# Altium PCB driver_V1.2.3.PcbDoc (part 1 of 2)
Units mm, origin at the board's own origin, x right, y up, seen from the top; angles counter-clockwise.
Board outline 78.1 x 196 mm, 2 copper layers (Top Layer, Bottom Layer), stack 1.58 mm thick; 265 components, 30 nets, 654 pads, 139 vias.
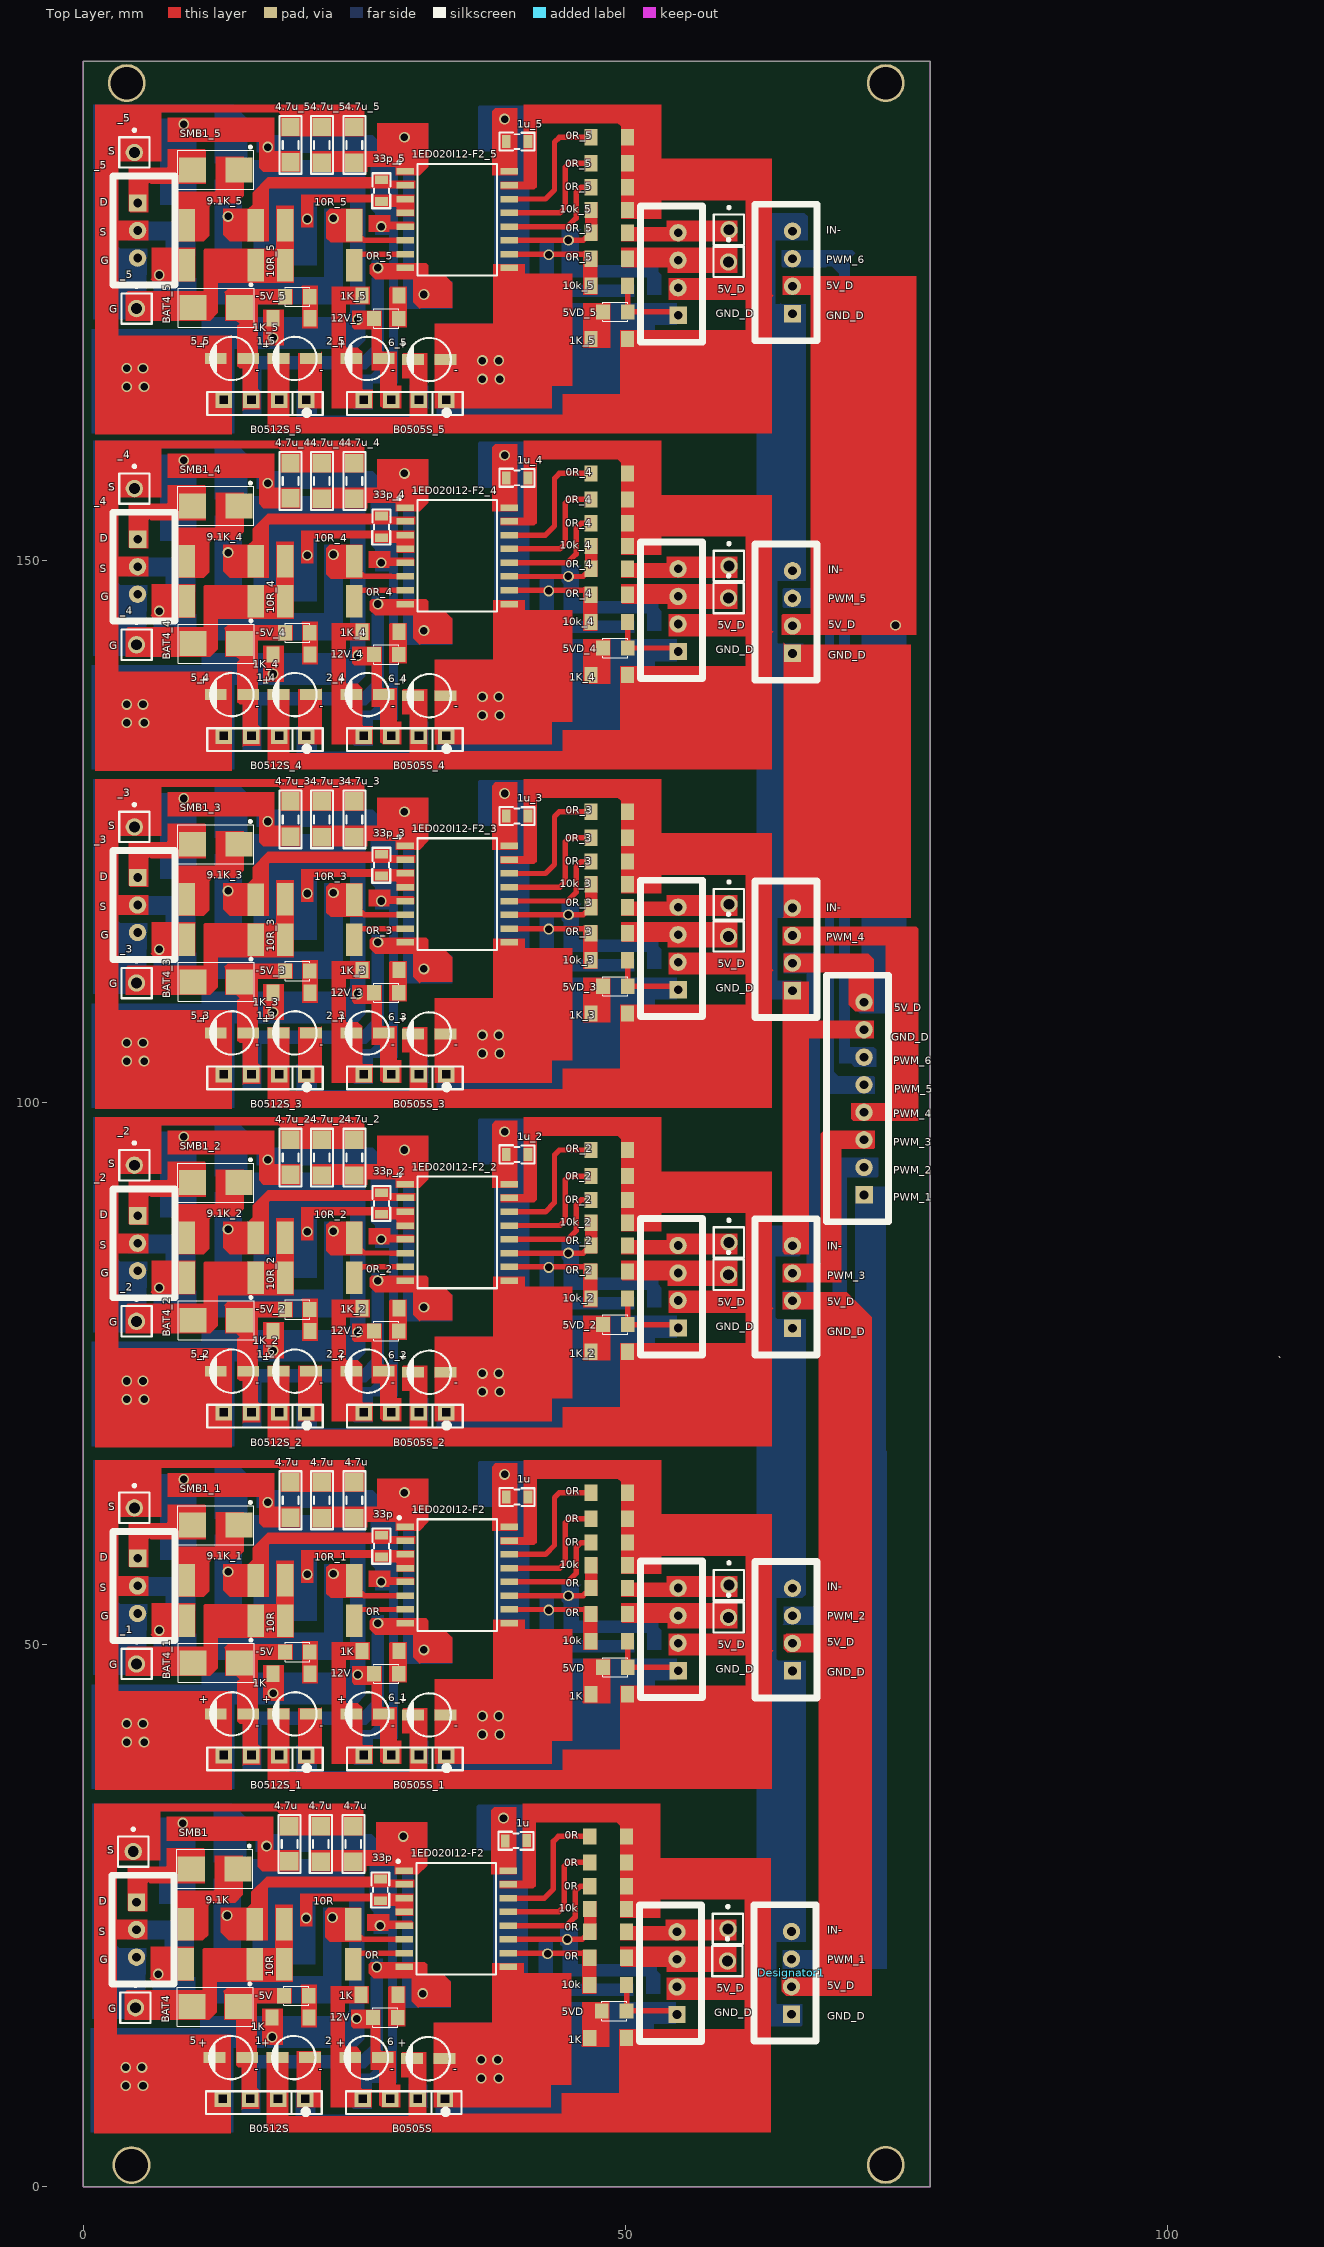
[diagram p0: Top Layer view]
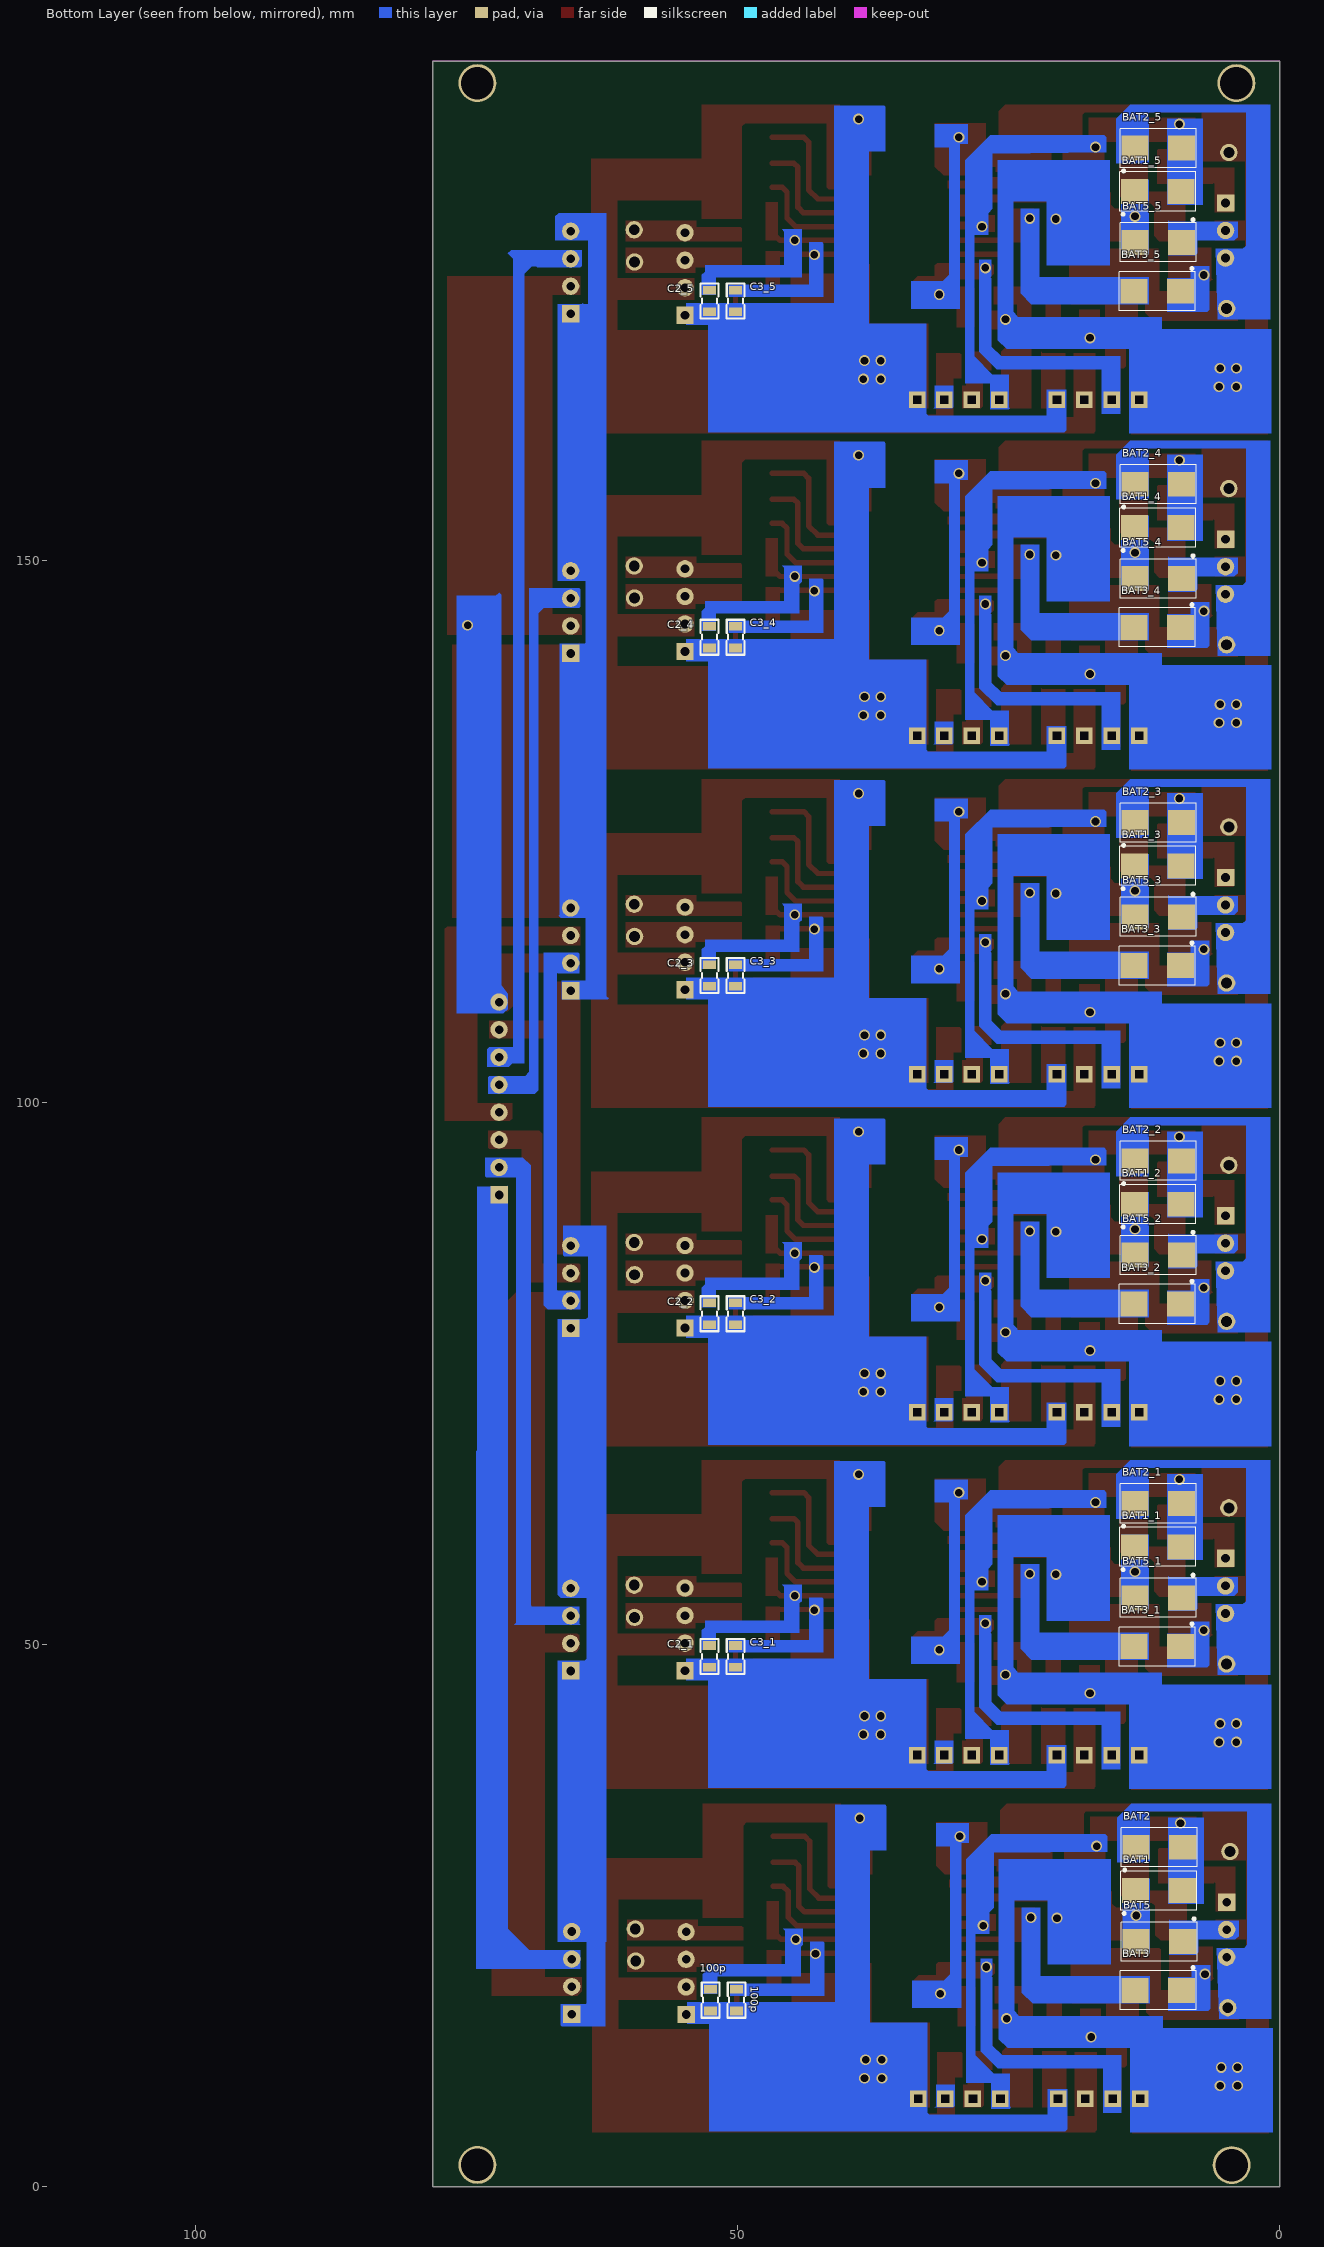
[diagram p1: Bottom Layer view, seen from below]
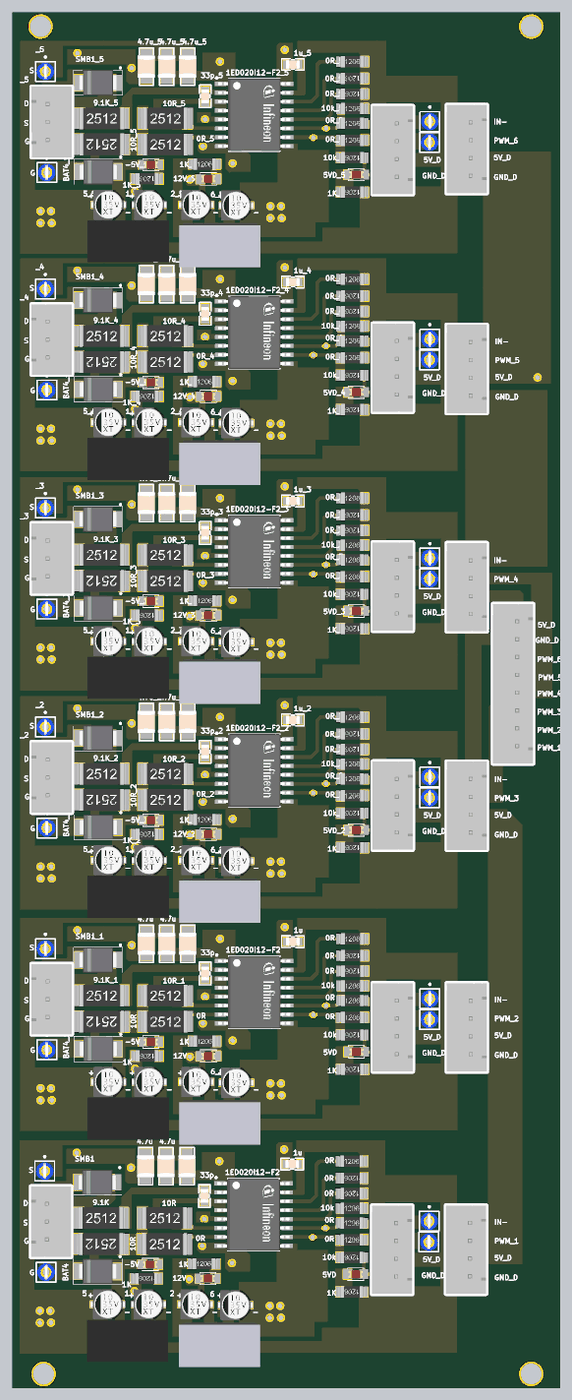
[diagram p3: 3D render of the assembled board from above, using the file's embedded part models]
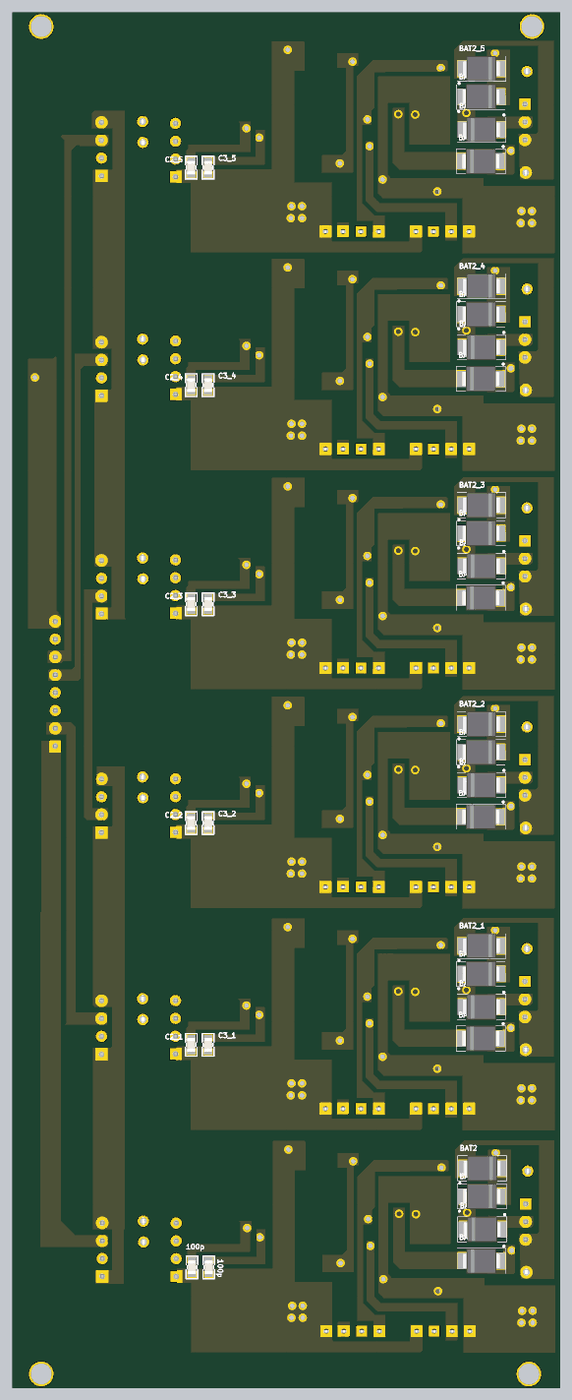
[diagram p4: 3D render of the assembled board from below, using the file's embedded part models]

## Layer stack, top to bottom
Top Solder: solder mask 0.01, Solder Resist, Dk 3.5
Top Layer: signal copper 0.035
Dielectric 1: dielectric 1.51, FR-4, Dk 4.8
Bottom Layer: signal copper 0.035
Bottom Solder: solder mask 0.01, Solder Resist, Dk 3.5

## Board outline
0,0 0,196 78.1,196 78.1,0

## Design rules (kind name [scope] priority, off if disabled: settings)
Clearance [All] p1: gap=0.5
PolygonConnect [All] p1: connectstyle=Relief reliefconductorwidth=0.254 reliefentries=4 polygonreliefangle="90 Angle" airgapwidth=0.254
RoutingVias [All] p1: holewidth=0.711 width=1.27 viastyle="Through Hole" minholewidth=0.711 minwidth=1.27 maxholewidth=0.711 maxwidth=1.27
SolderMaskExpansion [All] p1: expansion=0.102
Width [All] p1: maxlimit=2 minlimit=0.5 preferedwidth=0.5
30 further rules are at their usual default settings.

## Classes and differential pairs
component class driver_V1.1: 1 2 5 6 9 10 13 14 15 17 18 19 20 22 23 BAT1 BAT2 BAT3 BAT4 BAT5 C3 JP1 JP2 JP4 JP5 JP6 JP8 L1 SMB1

## Components (designator, comment, footprint, x,y, rotation, side; value= is the part's Value field where it differs from the comment)
0R "0R" RES1206 48.4,23.5 r0 top (schematic designator 18)
0R "0R" RES_2512 21.7,20.3 r0 top (schematic designator 17)
0R "0R" RES1206 48.4,21.1 r0 top (schematic designator 16)
0R "0R" RES1206 48.4,27.7 r180 top (schematic designator 13)
0R "0R" RES1206 48.4,32.3 r0 top (schematic designator 12)
0R "0R" RES1206 48.4,29.9 r180 top (schematic designator 11)
0R "0R" RES1206 48.5,61.6 r180 top (schematic designator 11)
0R "0R" RES1206 48.5,64 r0 top (schematic designator 12)
0R "0R" RES1206 48.5,59.4 r180 top (schematic designator 13)
0R "0R" RES1206 48.5,52.8 r0 top (schematic designator 16)
0R "0R" RES_2512 21.8,52 r0 top (schematic designator 17)
0R "0R" RES1206 48.5,55.2 r0 top (schematic designator 18)
0R_2 "0R" RES1206 48.5,93.2 r180 top (schematic designator 11)
0R_2 "0R" RES1206 48.5,95.6 r0 top (schematic designator 12)
0R_2 "0R" RES1206 48.5,91 r180 top (schematic designator 13)
0R_2 "0R" RES1206 48.5,84.4 r0 top (schematic designator 16)
0R_2 "0R" RES_2512 21.8,83.6 r0 top (schematic designator 17)
0R_2 "0R" RES1206 48.5,86.8 r0 top (schematic designator 18)
0R_3 "0R" RES1206 48.5,124.4 r180 top (schematic designator 11)
0R_3 "0R" RES1206 48.5,126.8 r0 top (schematic designator 12)
0R_3 "0R" RES1206 48.5,122.2 r180 top (schematic designator 13)
0R_3 "0R" RES1206 48.5,115.6 r0 top (schematic designator 16)
0R_3 "0R" RES_2512 21.8,114.8 r0 top (schematic designator 17)
0R_3 "0R" RES1206 48.5,118 r0 top (schematic designator 18)
0R_4 "0R" RES1206 48.5,155.6 r180 top (schematic designator 11)
0R_4 "0R" RES1206 48.5,158 r0 top (schematic designator 12)
0R_4 "0R" RES1206 48.5,153.4 r180 top (schematic designator 13)
0R_4 "0R" RES1206 48.5,146.8 r0 top (schematic designator 16)
0R_4 "0R" RES_2512 21.8,146 r0 top (schematic designator 17)
0R_4 "0R" RES1206 48.5,149.2 r0 top (schematic designator 18)
0R_5 "0R" RES1206 48.5,186.6 r180 top (schematic designator 11)
0R_5 "0R" RES1206 48.5,189 r0 top (schematic designator 12)
0R_5 "0R" RES1206 48.5,184.4 r180 top (schematic designator 13)
0R_5 "0R" RES1206 48.5,177.8 r0 top (schematic designator 16)
0R_5 "0R" RES_2512 21.8,177 r0 top (schematic designator 17)
0R_5 "0R" RES1206 48.5,180.2 r0 top (schematic designator 18)
1 "4.7uF_35V" tu_4x5.4mm 19.4,11.9 r0 top
1 "4.7uF_35V" tu_4x5.4mm 19.5,43.6 r0 top
1_2 "4.7uF_35V" tu_4x5.4mm 19.5,75.2 r0 top (schematic designator 1)
1_3 "4.7uF_35V" tu_4x5.4mm 19.5,106.4 r0 top (schematic designator 1)
1_4 "4.7uF_35V" tu_4x5.4mm 19.5,137.6 r0 top (schematic designator 1)
1_5 "4.7uF_35V" tu_4x5.4mm 19.5,168.6 r0 top (schematic designator 1)
1ED020I12-F2 "1ED020I12-F2" SOIC127P1028X264-16N-1 34.384,24.701 r0 top (schematic designator 14)
1ED020I12-F2 "1ED020I12-F2" SOIC127P1028X264-16N-1 34.484,56.401 r0 top (schematic designator 14)
1ED020I12-F2_2 "1ED020I12-F2" SOIC127P1028X264-16N-1 34.484,88.001 r0 top (schematic designator 14)
1ED020I12-F2_3 "1ED020I12-F2" SOIC127P1028X264-16N-1 34.484,119.201 r0 top (schematic designator 14)
1ED020I12-F2_4 "1ED020I12-F2" SOIC127P1028X264-16N-1 34.484,150.401 r0 top (schematic designator 14)
1ED020I12-F2_5 "1ED020I12-F2" SOIC127P1028X264-16N-1 34.484,181.401 r0 top (schematic designator 14)
1K "1K" RES1206 19.1,15.6 r180 top (schematic designator 7)
1K "1K" RES1206 27.3,17.7 r0 top (schematic designator 4)
1K "1K" RES1206 48.4,13.7 r180 top (schematic designator 3)
1K "1K" RES1206 48.5,45.4 r180 top (schematic designator 3)
1K "1K" RES1206 27.4,49.4 r0 top (schematic designator 4)
1K "1K" RES1206 19.2,47.3 r180 top (schematic designator 7)
1K_2 "1K" RES1206 48.5,77 r180 top (schematic designator 3)
1K_2 "1K" RES1206 27.4,81 r0 top (schematic designator 4)
1K_2 "1K" RES1206 19.2,78.9 r180 top (schematic designator 7)
1K_3 "1K" RES1206 48.5,108.2 r180 top (schematic designator 3)
1K_3 "1K" RES1206 27.4,112.2 r0 top (schematic designator 4)
1K_3 "1K" RES1206 19.2,110.1 r180 top (schematic designator 7)
1K_4 "1K" RES1206 48.5,139.4 r180 top (schematic designator 3)
1K_4 "1K" RES1206 27.4,143.4 r0 top (schematic designator 4)
1K_4 "1K" RES1206 19.2,141.3 r180 top (schematic designator 7)
1K_5 "1K" RES1206 48.5,170.4 r180 top (schematic designator 3)
1K_5 "1K" RES1206 27.4,174.4 r0 top (schematic designator 4)
1K_5 "1K" RES1206 19.2,172.3 r180 top (schematic designator 7)
1u "1uF" "Tu 0805_N" 39.9,31.9 r0 top (schematic designator 8)
1u "1uF" "Tu 0805_N" 40,63.6 r0 top (schematic designator 8)
1u_2 "1uF" "Tu 0805_N" 40,95.2 r0 top (schematic designator 8)
1u_3 "1uF" "Tu 0805_N" 40,126.4 r0 top (schematic designator 8)
1u_4 "1uF" "Tu 0805_N" 40,157.6 r0 top (schematic designator 8)
1u_5 "1uF" "Tu 0805_N" 40,188.6 r0 top (schematic designator 8)
2 "2.2uF_35V" tu_4x5.4mm 26.1,11.9 r0 top
2 "2.2uF_35V" tu_4x5.4mm 26.2,43.6 r0 top
2_2 "2.2uF_35V" tu_4x5.4mm 26.2,75.2 r0 top (schematic designator 2)
2_3 "2.2uF_35V" tu_4x5.4mm 26.2,106.4 r0 top (schematic designator 2)
2_4 "2.2uF_35V" tu_4x5.4mm 26.2,137.6 r0 top (schematic designator 2)
2_5 "2.2uF_35V" tu_4x5.4mm 26.2,168.6 r0 top (schematic designator 2)
4.7u "4.7uF" "tu 1206_N"#1 21.9,31.6 r90 top (schematic designator 23)
4.7u "4.7uF" "tu 1206_N"#1 24.9,31.6 r90 top (schematic designator 22)
4.7u "4.7uF" "tu 1206_N"#2 19,31.6 r270 top (schematic designator 9)
4.7u "4.7uF" "tu 1206_N"#2 19.1,63.3 r270 top (schematic designator 9)
4.7u "4.7uF" "tu 1206_N"#1 25,63.3 r90 top (schematic designator 22)
4.7u "4.7uF" "tu 1206_N"#1 22,63.3 r90 top (schematic designator 23)
4.7u_2 "4.7uF" "tu 1206_N"#2 19.1,94.9 r270 top (schematic designator 9)
4.7u_2 "4.7uF" "tu 1206_N"#1 25,94.9 r90 top (schematic designator 22)
4.7u_2 "4.7uF" "tu 1206_N"#1 22,94.9 r90 top (schematic designator 23)
4.7u_3 "4.7uF" "tu 1206_N"#2 19.1,126.1 r270 top (schematic designator 9)
4.7u_3 "4.7uF" "tu 1206_N"#1 25,126.1 r90 top (schematic designator 22)
4.7u_3 "4.7uF" "tu 1206_N"#1 22,126.1 r90 top (schematic designator 23)
4.7u_4 "4.7uF" "tu 1206_N"#2 19.1,157.3 r270 top (schematic designator 9)
4.7u_4 "4.7uF" "tu 1206_N"#1 25,157.3 r90 top (schematic designator 22)
4.7u_4 "4.7uF" "tu 1206_N"#1 22,157.3 r90 top (schematic designator 23)
4.7u_5 "4.7uF" "tu 1206_N"#2 19.1,188.3 r270 top (schematic designator 9)
4.7u_5 "4.7uF" "tu 1206_N"#1 25,188.3 r90 top (schematic designator 22)
4.7u_5 "4.7uF" "tu 1206_N"#1 22,188.3 r90 top (schematic designator 23)
5 "10uF_35V" tu_4x5.4mm 13.6,11.9 r0 top
5 "10uF_35V" tu_4x5.4mm 13.7,43.6 r0 top
5_2 "10uF_35V" tu_4x5.4mm 13.7,75.2 r0 top (schematic designator 5)
5_3 "10uF_35V" tu_4x5.4mm 13.7,106.4 r0 top (schematic designator 5)
5_4 "10uF_35V" tu_4x5.4mm 13.7,137.6 r0 top (schematic designator 5)
5_5 "10uF_35V" tu_4x5.4mm 13.7,168.6 r0 top (schematic designator 5)
5VD "LED 0805" LED-0805-Red 47.814,16.2 r0 top (schematic designator L2)
5VD "LED 0805" LED-0805-Red 47.914,47.9 r0 top (schematic designator L2)
5VD_2 "LED 0805" LED-0805-Red 47.914,79.5 r0 top (schematic designator L2)
5VD_3 "LED 0805" LED-0805-Red 47.914,110.7 r0 top (schematic designator L2)
5VD_4 "LED 0805" LED-0805-Red 47.914,141.9 r0 top (schematic designator L2)
5VD_5 "LED 0805" LED-0805-Red 47.914,172.9 r0 top (schematic designator L2)
6 "4.7uF_35V" tu_4x5.4mm 31.8,11.8 r0 top
6_1 "4.7uF_35V" tu_4x5.4mm 31.9,43.5 r0 top (schematic designator 6)
6_2 "4.7uF_35V" tu_4x5.4mm 31.9,75.1 r0 top (schematic designator 6)
6_3 "4.7uF_35V" tu_4x5.4mm 31.9,106.3 r0 top (schematic designator 6)
6_4 "4.7uF_35V" tu_4x5.4mm 31.9,137.5 r0 top (schematic designator 6)
6_5 "4.7uF_35V" tu_4x5.4mm 31.9,168.5 r0 top (schematic designator 6)
9.1K "9.1K" RES_2512 12.615,24 r0 top (schematic designator 15)
9.1K_1 "9.1K" RES_2512 12.715,55.7 r0 top (schematic designator 15)
9.1K_2 "9.1K" RES_2512 12.715,87.3 r0 top (schematic designator 15)
9.1K_3 "9.1K" RES_2512 12.715,118.5 r0 top (schematic designator 15)
9.1K_4 "9.1K" RES_2512 12.715,149.7 r0 top (schematic designator 15)
9.1K_5 "9.1K" RES_2512 12.715,180.7 r0 top (schematic designator 15)
10k "10K" RES1206 48.4,18.6 r180 top (schematic designator 21)
10k "10K" RES1206 48.4,25.6 r0 top (schematic designator 10)
10k "10K" RES1206 48.5,57.3 r0 top (schematic designator 10)
10k "10K" RES1206 48.5,50.3 r180 top (schematic designator 21)
10k_2 "10K" RES1206 48.5,88.9 r0 top (schematic designator 10)
10k_2 "10K" RES1206 48.5,81.9 r180 top (schematic designator 21)
10k_3 "10K" RES1206 48.5,120.1 r0 top (schematic designator 10)
10k_3 "10K" RES1206 48.5,113.1 r180 top (schematic designator 21)
10k_4 "10K" RES1206 48.5,151.3 r0 top (schematic designator 10)
10k_4 "10K" RES1206 48.5,144.3 r180 top (schematic designator 21)
10k_5 "10K" RES1206 48.5,182.3 r0 top (schematic designator 10)
10k_5 "10K" RES1206 48.5,175.3 r180 top (schematic designator 21)
10R "10R" RES_2512 21.7,24 r0 top (schematic designator 20)
10R "10R" RES_2512 12.634,20.708 r180 top (schematic designator 19)
10R "10R" RES_2512 12.734,52.408 r180 top (schematic designator 19)
10R_1 "10R" RES_2512 21.8,55.7 r0 top (schematic designator 20)
10R_2 "10R" RES_2512 12.734,84.008 r180 top (schematic designator 19)
10R_2 "10R" RES_2512 21.8,87.3 r0 top (schematic designator 20)
10R_3 "10R" RES_2512 12.734,115.208 r180 top (schematic designator 19)
10R_3 "10R" RES_2512 21.8,118.5 r0 top (schematic designator 20)
10R_4 "10R" RES_2512 12.734,146.408 r180 top (schematic designator 19)
10R_4 "10R" RES_2512 21.8,149.7 r0 top (schematic designator 20)
10R_5 "10R" RES_2512 12.734,177.408 r180 top (schematic designator 19)
10R_5 "10R" RES_2512 21.8,180.7 r0 top (schematic designator 20)
12V "LED 0805" LED-0805-Red 28.986,15.6 r180 top (schematic designator L3)
12V "LED 0805" LED-0805-Red 29.086,47.3 r180 top (schematic designator L3)
12V_2 "LED 0805" LED-0805-Red 29.086,78.9 r180 top (schematic designator L3)
12V_3 "LED 0805" LED-0805-Red 29.086,110.1 r180 top (schematic designator L3)
12V_4 "LED 0805" LED-0805-Red 29.086,141.3 r180 top (schematic designator L3)
12V_5 "LED 0805" LED-0805-Red 29.086,172.3 r180 top (schematic designator L3)
33p "33pF" "Tu 0805_N" 27.38,27.37 r90 top (schematic designator C1)
33p "33pF" "Tu 0805_N" 27.48,59.07 r90 top (schematic designator C1)
33p_2 "33pF" "Tu 0805_N" 27.48,90.67 r90 top (schematic designator C1)
33p_3 "33pF" "Tu 0805_N" 27.48,121.87 r90 top (schematic designator C1)
33p_4 "33pF" "Tu 0805_N" 27.48,153.07 r90 top (schematic designator C1)
33p_5 "33pF" "Tu 0805_N" 27.48,184.07 r90 top (schematic designator C1)
100p "100pF" "Tu 0805_N" 50.1,17.2 r90 bottom (schematic designator C3)